# KiCad board ikafly_rev0a_p_cut.kicad_pcb
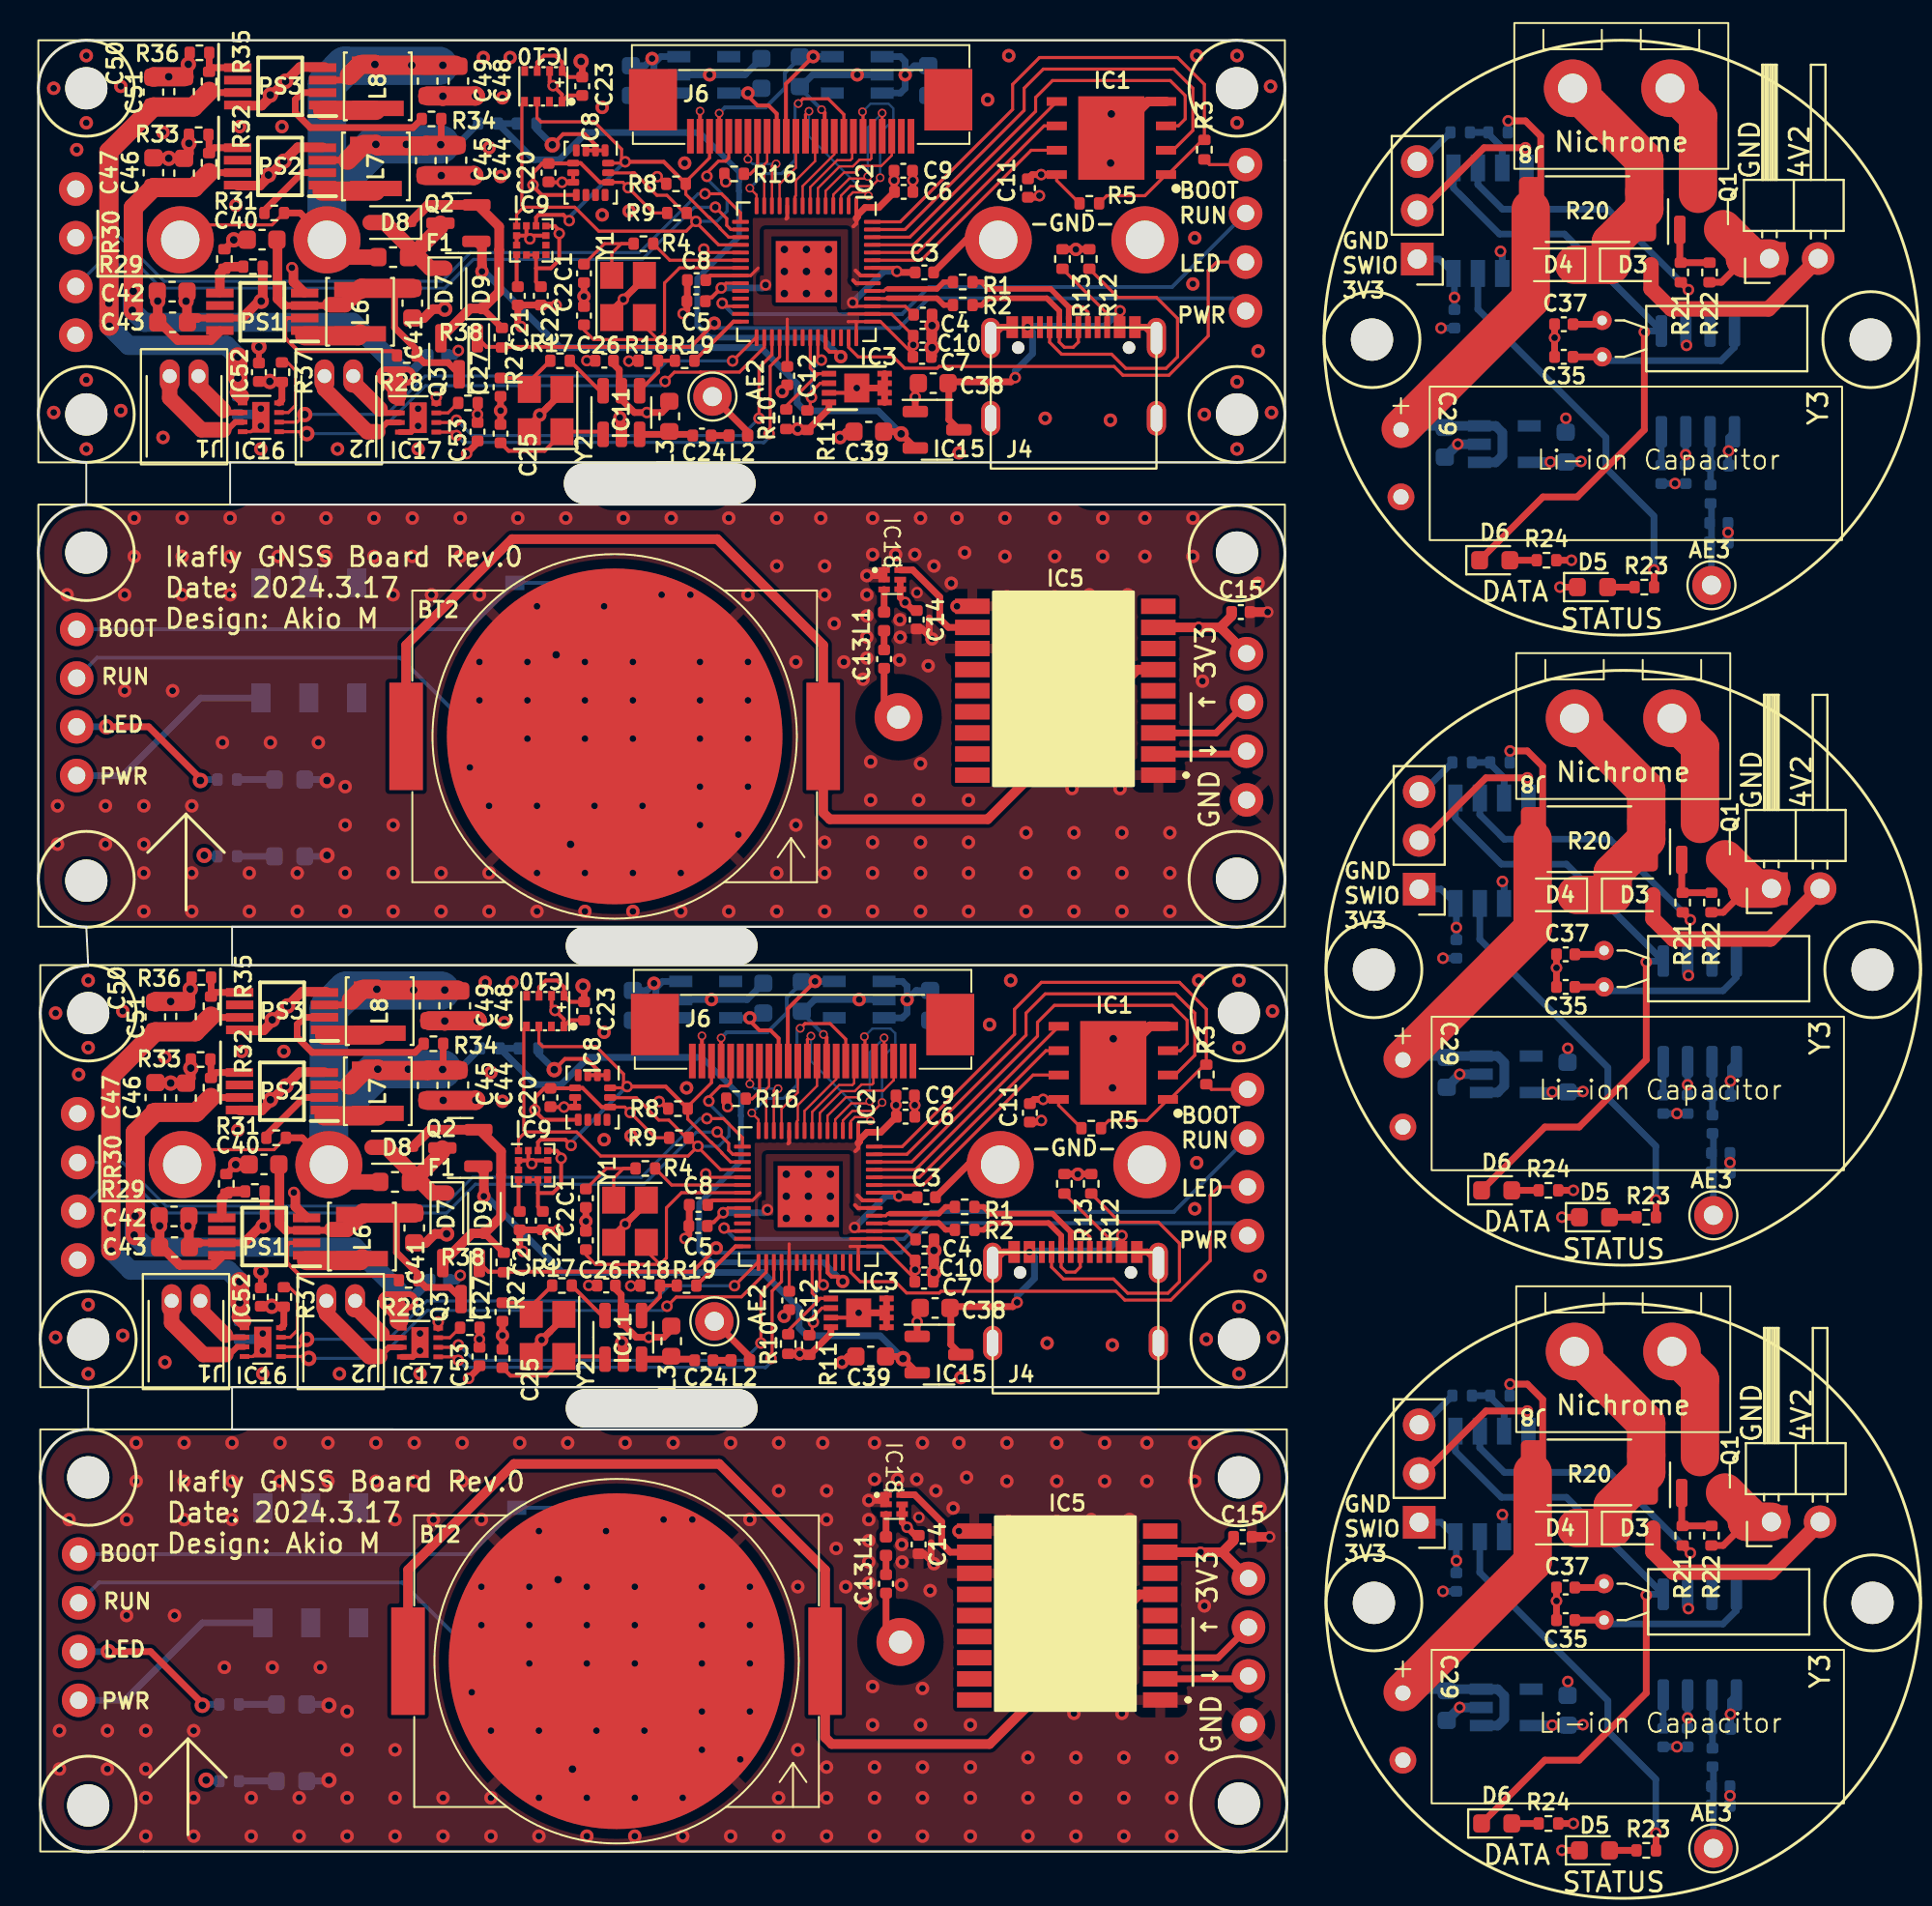
[diagram p0: board, top side]
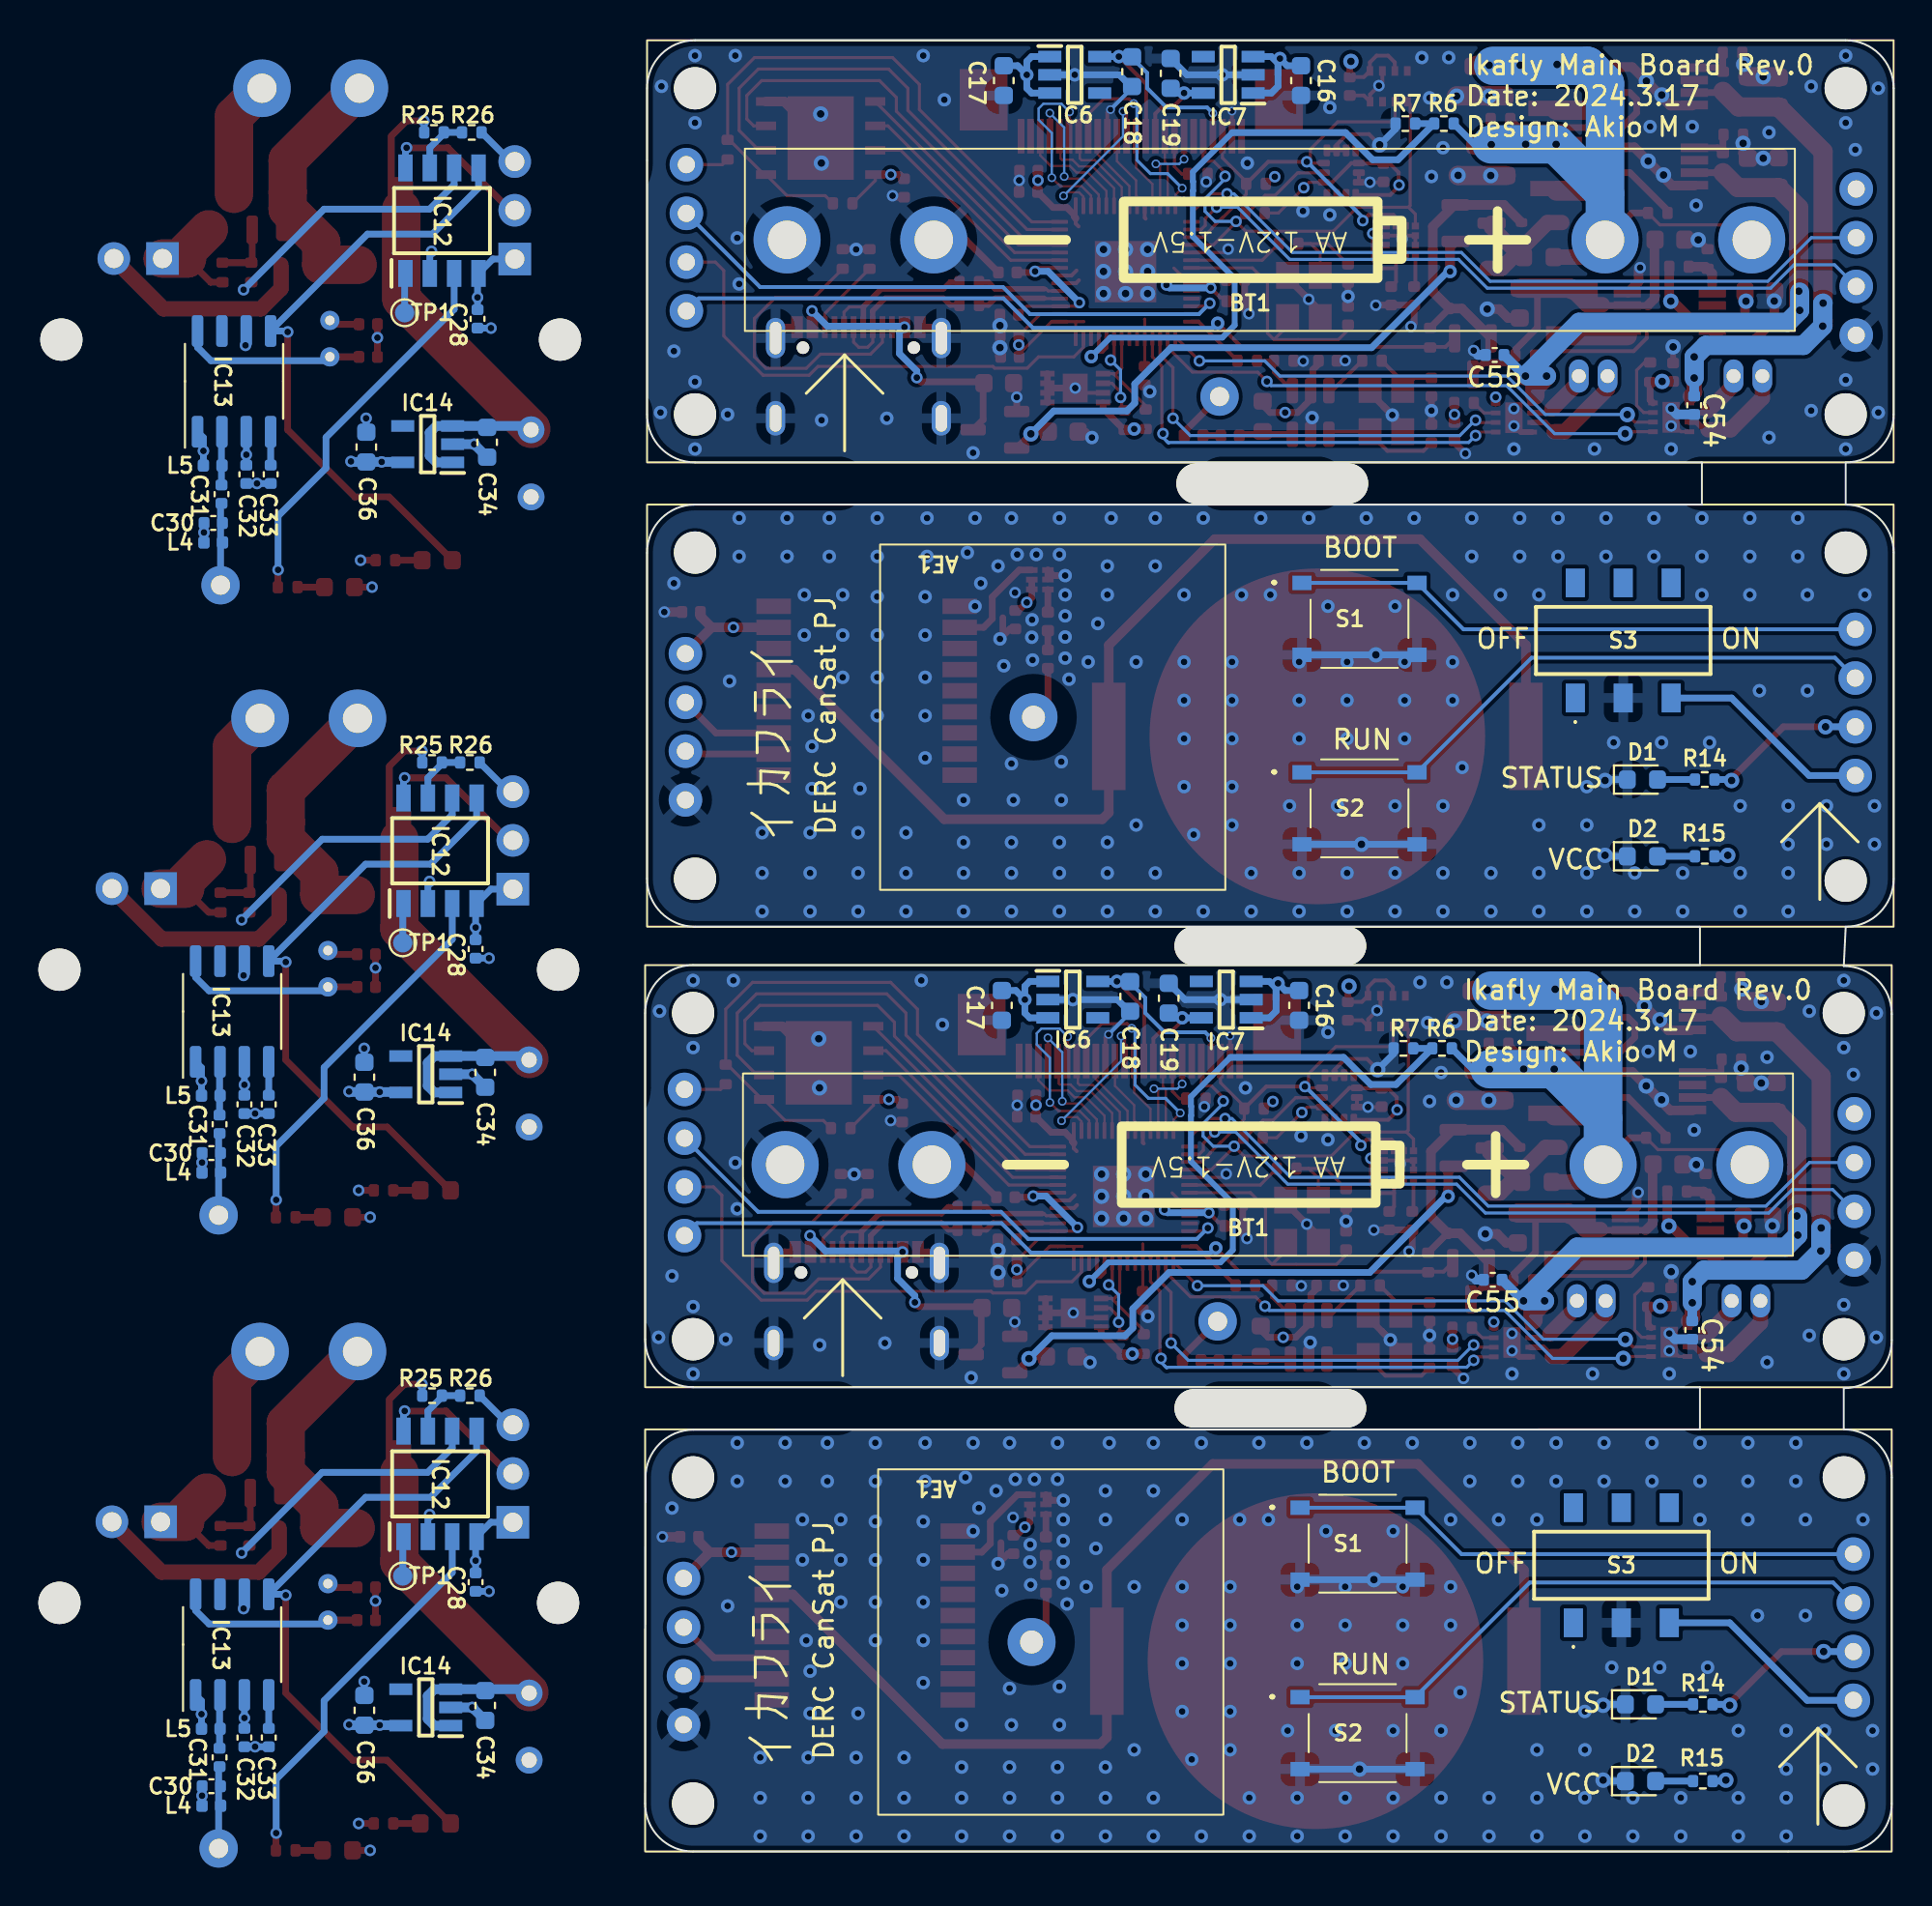
[diagram p1: board, bottom side, seen from below]

Outline 65.1 x 94.4 mm; copper layers: Top, In1.Cu, In2.Cu, Bottom. Coordinates in mm from the lower left corner of the outline.
Outline path: 0,91.9 arc(0.73,93.67) 2.5,94.4 62.5,94.4 arc(64.27,93.67) 65,91.9 65,74.9 arc(64.27,73.13) 62.5,72.4 10,72.4 10,70.2 62.5,70.2 arc(64.27,69.47) 65,67.7 65,50.7 arc(64.27,48.93) 62.5,48.2 10.1,48.2 10.1,46.2 62.6,46.2 arc(64.37,45.47) 65.1,43.7 65.1,26.7 arc(64.37,24.93) 62.6,24.2 10.1,24.2 10.1,22 62.58,21.98 arc(64.35,21.25) 65.08,19.48 65.1,2.5 arc(64.37,0.73) 62.6,0 5.5,0 2.6,0 arc(0.83,0.73) 0.1,2.5 0.1,19.5 arc(0.83,21.27) 2.6,22 2.6,24.15 arc(0.83,24.88) 0.1,26.65 0.1,43.65 arc(0.83,45.42) 2.6,46.15 2.5,48.2 arc(0.73,48.93) 0,50.7 0,67.7 arc(0.73,69.47) 2.5,70.2 2.5,72.4 arc(0.73,73.13) 0,74.9 0,91.9
Stack: Top 0.035mm / dielectric 0.1mm FR4 er 4.5 / In1.Cu 0.035mm / dielectric 0.64mm FR4 er 4.5 / In2.Cu 0.035mm / dielectric 0.1mm FR4 er 4.5 / Bottom 0.035mm

## Placement (name value [footprint] x y rotation side)
AE1  ANT_GNSS  [BWGNSCNX18-18W2]  43.95 10.92 180 bottom
AE1#2  ANT_GNSS  [BWGNSCNX18-18W2]  43.85 59.12 180 bottom
AE2  ANT_315MHz  [Pin_D1.0mm_L10.0mm]  35.15 75.83 90 top
AE2#2  ANT_315MHz  [Pin_D1.0mm_L10.0mm]  35.25 27.63 90 top
AE3  ANT_315MHz  [Pin_D1.0mm_L10.0mm]  87.34 33.16 180 top
AE3#2  ANT_315MHz  [Pin_D1.0mm_L10.0mm]  87.24 66 180 top
AE3#3  ANT_315MHz  [Pin_D1.0mm_L10.0mm]  87.34 0.16 180 top
BT1  AA_Cell  [Conn_MY-AA]  7.4 84 0 bottom
BT1#2  AA_Cell  [Conn_MY-AA]  7.5 35.8 0 bottom
BT2  CR2032  [MY-2032-08-J-Fe]  30.15 9.92 0 top
BT2#2  CR2032  [MY-2032-08-J-Fe]  30.05 58.12 0 top
C1  20p  [C_0402_1005Metric]  28.45 82.25 90 top
C1#2  20p  [C_0402_1005Metric]  28.55 34.05 90 top
C2  20p  [C_0402_1005Metric]  28.55 31.85 270 top
C2#2  20p  [C_0402_1005Metric]  28.45 80.05 270 top
C3  1u  [C_0402_1005Metric]  46.2 82.3 0 top
C3#2  1u  [C_0402_1005Metric]  46.3 34.1 0 top
C4  100n  [C_0402_1005Metric]  46.22 31.9 0 top
C4#2  100n  [C_0402_1005Metric]  46.12 80.1 0 top
C5  100n  [C_0402_1005Metric]  34.3 80.8 180 top
C5#2  100n  [C_0402_1005Metric]  34.4 32.6 180 top
C6  1u  [C_0402_1005Metric]  45.22 38.3 0 top
C6#2  1u  [C_0402_1005Metric]  45.12 86.5 0 top
C7  100n  [C_0402_1005Metric]  46.18 29.7 0 top
C7#2  100n  [C_0402_1005Metric]  46.08 77.9 0 top
C8  100n  [C_0402_1005Metric]  34.42 33.7 180 top
C8#2  100n  [C_0402_1005Metric]  34.32 81.9 180 top
C9  100n  [C_0402_1005Metric]  45.2 39.4 0 top
C9#2  100n  [C_0402_1005Metric]  45.1 87.6 0 top
C10  100n  [C_0402_1005Metric]  46.2 30.8 0 top
C10#2  100n  [C_0402_1005Metric]  46.1 79 0 top
C11  100n  [C_0402_1005Metric]  51.7 38.5 270 top
C11#2  100n  [C_0402_1005Metric]  51.6 86.7 270 top
C12  100n  [C_0402_1005Metric]  39.05 76.92 270 top
C12#2  100n  [C_0402_1005Metric]  39.15 28.72 270 top
C13  470p  [C_0402_1005Metric]  44.1 62.15 90 top
C13#2  470p  [C_0402_1005Metric]  44.2 13.95 90 top
C14  100n  [C_0402_1005Metric]  45.8 64.2 270 top
C14#2  100n  [C_0402_1005Metric]  45.9 16 270 top
C15  100n  [C_0402_1005Metric]  62.7 64.6 0 top
C15#2  100n  [C_0402_1005Metric]  62.8 16.4 0 top
C16  10u  [C_0603_1608Metric]  31 44.1 270 bottom
C16#2  10u  [C_0603_1608Metric]  30.9 92.3 270 bottom
C17  10u  [C_0603_1608Metric]  46.4 92.3 270 bottom
C17#2  10u  [C_0603_1608Metric]  46.5 44.1 270 bottom
C18  10u  [C_0603_1608Metric]  39.71 92.77 270 bottom
C18#2  10u  [C_0603_1608Metric]  39.81 44.57 270 bottom
C19  10u  [C_0603_1608Metric]  37.8 44.48 90 bottom
C19#2  10u  [C_0603_1608Metric]  37.7 92.68 90 bottom
C20  100n  [C_0402_1005Metric]  26.7 39.3 90 top
C20#2  100n  [C_0402_1005Metric]  26.6 87.5 90 top
C21  100n  [C_0402_1005Metric]  25.1 32.88 90 top
C21#2  100n  [C_0402_1005Metric]  25 81.08 90 top
C22  100n  [C_0402_1005Metric]  26.3 32.88 270 top
C22#2  100n  [C_0402_1005Metric]  26.2 81.08 270 top
C23  100n  [C_0402_1005Metric]  28.36 92.01 270 top
C23#2  100n  [C_0402_1005Metric]  28.46 43.81 270 top
C24  20p  [C_0402_1005Metric]  34.6 73.8 180 top
C24#2  20p  [C_0402_1005Metric]  34.7 25.6 180 top
C25  20p  [C_0402_1005Metric]  24.1 73.9 90 top
C25#2  20p  [C_0402_1005Metric]  24.2 25.7 90 top
C26  2.2u  [C_0402_1005Metric]  29.51 77.7 180 top
C26#2  2.2u  [C_0402_1005Metric]  29.61 29.5 180 top
C27  20p  [C_0402_1005Metric]  24.2 28.12 270 top
C27#2  20p  [C_0402_1005Metric]  24.1 76.32 270 top
C28  100n  [C_0402_1005Metric]  73.94 14.04 270 bottom
C28#2  100n  [C_0402_1005Metric]  73.94 47.04 270 bottom
C28#3  100n  [C_0402_1005Metric]  73.84 79.88 270 bottom
C29  40F  [Capacitor_P3.5_8x20_H]  71.05 72.35 270 top
C29#2  40F  [Capacitor_P3.5_8x20_H]  71.15 39.51 270 top
C29#3  40F  [Capacitor_P3.5_8x20_H]  71.15 6.51 270 top
C30  6.8p  [C_0402_1005Metric]  87.62 69.24 0 bottom
C30#2  6.8p  [C_0402_1005Metric]  87.72 36.4 0 bottom
C30#3  6.8p  [C_0402_1005Metric]  87.72 3.4 0 bottom
C31  1.5p  [C_0402_1005Metric]  87.29 4.9 90 bottom
C31#2  1.5p  [C_0402_1005Metric]  87.19 70.74 90 bottom
C31#3  1.5p  [C_0402_1005Metric]  87.29 37.9 90 bottom
C32  100n  [C_0402_1005Metric]  86 5.94 270 bottom
C32#2  100n  [C_0402_1005Metric]  86 38.94 270 bottom
C32#3  100n  [C_0402_1005Metric]  85.9 71.78 270 bottom
C33  0.47u  [C_0402_1005Metric]  84.73 38.94 270 bottom
C33#2  0.47u  [C_0402_1005Metric]  84.63 71.78 270 bottom
C33#3  0.47u  [C_0402_1005Metric]  84.73 5.94 270 bottom
C34  10u  [C_0603_1608Metric]  73.44 7.61 270 bottom
C34#2  10u  [C_0603_1608Metric]  73.34 73.45 270 bottom
C34#3  10u  [C_0603_1608Metric]  73.44 40.61 270 bottom
C35  20p  [C_0402_1005Metric]  79.64 45.06 180 top
C35#2  20p  [C_0402_1005Metric]  79.54 77.9 180 top
C35#3  20p  [C_0402_1005Metric]  79.64 12.06 180 top
C36  10u  [C_0603_1608Metric]  79.64 73.2 90 bottom
C36#2  10u  [C_0603_1608Metric]  79.74 7.36 90 bottom
C36#3  10u  [C_0603_1608Metric]  79.74 40.36 90 bottom
C37  20p  [C_0402_1005Metric]  79.54 79.6 180 top
C37#2  20p  [C_0402_1005Metric]  79.64 46.76 180 top
C37#3  20p  [C_0402_1005Metric]  79.64 13.76 180 top
C38  10u  [C_0603_1608Metric]  46.76 28.33 180 top
C38#2  10u  [C_0603_1608Metric]  46.66 76.53 180 top
C39  10u  [C_0603_1608Metric]  43.4 25.8 180 top
C39#2  10u  [C_0603_1608Metric]  43.3 74 180 top
C40  22u  [C_0603_1608Metric]  11.76 35.81 180 top
C40#2  22u  [C_0603_1608Metric]  11.66 84.01 180 top
C41  22u  [C_0603_1608Metric]  19.5 80.7 270 top
C41#2  22u  [C_0603_1608Metric]  19.6 32.5 270 top
C42  22u  [C_0603_1608Metric]  7.07 33.1 180 top
C42#2  22u  [C_0603_1608Metric]  6.97 81.3 180 top
C43  22u  [C_0603_1608Metric]  7 79.7 180 top
C43#2  22u  [C_0603_1608Metric]  7.1 31.5 180 top
C44  22u  [C_0603_1608Metric]  21.8 88.15 270 top
C44#2  22u  [C_0603_1608Metric]  21.9 39.95 270 top
C45  22u  [C_0603_1608Metric]  20.2 88.13 270 top
C45#2  22u  [C_0603_1608Metric]  20.3 39.93 270 top
C46  22u  [C_0603_1608Metric]  7.6 87.48 90 top
C46#2  22u  [C_0603_1608Metric]  7.7 39.28 90 top
C47  22u  [C_0603_1608Metric]  6 87.5 90 top
C47#2  22u  [C_0603_1608Metric]  6.1 39.3 90 top
C48  22u  [C_0603_1608Metric]  22 44.08 270 top
C48#2  22u  [C_0603_1608Metric]  21.9 92.28 270 top
C49  22u  [C_0603_1608Metric]  20.4 44.08 270 top
C49#2  22u  [C_0603_1608Metric]  20.3 92.28 270 top
C50  22u  [C_0603_1608Metric]  6.1 43.5 90 top
C50#2  22u  [C_0603_1608Metric]  6 91.7 90 top
C51  22u  [C_0603_1608Metric]  7.7 43.53 90 top
C51#2  22u  [C_0603_1608Metric]  7.6 91.73 90 top
C52  100n  [C_0402_1005Metric]  11.6 28.9 90 top
C52#2  100n  [C_0402_1005Metric]  11.5 77.1 90 top
C53  100n  [C_0402_1005Metric]  23 25.8 270 top
C53#2  100n  [C_0402_1005Metric]  22.9 74 270 top
C54  100n  [C_0402_1005Metric]  10.5 27.18 270 bottom
C54#2  100n  [C_0402_1005Metric]  10.4 75.38 270 bottom
C55  100n  [C_0402_1005Metric]  20.9 29.8 0 bottom
C55#2  100n  [C_0402_1005Metric]  20.8 78 0 bottom
D1  LED  [LED_0603_1608Metric]  13.2 7.67 180 bottom
D1#2  LED  [LED_0603_1608Metric]  13.1 55.87 180 bottom
D2  LED  [LED_0603_1608Metric]  13.2 3.67 180 bottom
D2#2  LED  [LED_0603_1608Metric]  13.1 51.87 180 bottom
D3  CUS10S30  [D_SOD-323]  83.04 82.7 0 top
D3#2  CUS10S30  [D_SOD-323]  83.14 16.86 0 top
D3#3  CUS10S30  [D_SOD-323]  83.14 49.86 0 top
D4  CUS10S30  [D_SOD-323]  79.14 16.86 180 top
D4#2  CUS10S30  [D_SOD-323]  79.14 49.86 180 top
D4#3  CUS10S30  [D_SOD-323]  79.04 82.7 180 top
D5  LED  [LED_0603_1608Metric]  81.14 0.06 0 top
D5#2  LED  [LED_0603_1608Metric]  81.14 33.06 0 top
D5#3  LED  [LED_0603_1608Metric]  81.04 65.9 0 top
D6  LED  [LED_0603_1608Metric]  76.04 34.46 0 top
D6#2  LED  [LED_0603_1608Metric]  75.94 67.3 0 top
D6#3  LED  [LED_0603_1608Metric]  76.04 1.46 0 top
D7  CUS10S30  [D_SOD-323]  21.2 81.47 270 top
D7#2  CUS10S30  [D_SOD-323]  21.3 33.27 270 top
D8  CUS10S30  [D_SOD-323]  18.45 36.7 180 top
D8#2  CUS10S30  [D_SOD-323]  18.35 84.9 180 top
D9  CUS10S30  [D_SOD-323]  23.16 81.47 90 top
D9#2  CUS10S30  [D_SOD-323]  23.26 33.27 90 top
F1  Polyfuse  [Fuse_0603_1608Metric]  18.5 83.1 0 top
F1#2  Polyfuse  [Fuse_0603_1608Metric]  18.6 34.9 0 top
H1  MountingHole  [MountingHole_2.2mm_M2]  2.6 43.7 0 top
H1#2  MountingHole  [MountingHole_2.2mm_M2]  2.5 91.9 0 top
H2  MountingHole  [MountingHole_2.2mm_M2]  2.6 26.7 0 top
H2#2  MountingHole  [MountingHole_2.2mm_M2]  2.5 74.9 0 top
H3  MountingHole  [MountingHole_2.2mm_M2]  62.6 43.7 0 top
H3#2  MountingHole  [MountingHole_2.2mm_M2]  62.5 91.9 0 top
H4  MountingHole  [MountingHole_2.2mm_M2]  62.5 74.9 0 top
H4#2  MountingHole  [MountingHole_2.2mm_M2]  62.6 26.7 0 top
H5  MountingHole  [MountingHole_2.2mm_M2]  69.54 78.8 0 top
H5#2  MountingHole  [MountingHole_2.2mm_M2]  69.64 45.96 0 top
H5#3  MountingHole  [MountingHole_2.2mm_M2]  69.64 12.96 0 top
H6  MountingHole  [MountingHole_2.2mm_M2]  95.64 12.96 0 top
H6#2  MountingHole  [MountingHole_2.2mm_M2]  95.64 45.96 0 top
H6#3  MountingHole  [MountingHole_2.2mm_M2]  95.54 78.8 0 top
H7  MountingHole  [MountingHole_2.2mm_M2]  2.5 67.7 0 top
H7#2  MountingHole  [MountingHole_2.2mm_M2]  2.6 19.5 0 top
H8  MountingHole  [MountingHole_2.2mm_M2]  2.5 50.6 0 top
H8#2  MountingHole  [MountingHole_2.2mm_M2]  2.6 2.4 0 top
H9  MountingHole  [MountingHole_2.2mm_M2]  62.6 2.5 0 top
H9#2  MountingHole  [MountingHole_2.2mm_M2]  62.5 50.7 0 top
H10  MountingHole  [MountingHole_2.2mm_M2]  62.6 19.5 0 top
H10#2  MountingHole  [MountingHole_2.2mm_M2]  62.5 67.7 0 top
IC1  W25Q32JVZPIQ  [SON127P600X500X80-9N-D]  55.95 89.31 180 top
IC1#2  W25Q32JVZPIQ  [SON127P600X500X80-9N-D]  56.05 41.11 180 top
IC2  RP2040  [QFN-56-1EP_7x7mm_P0.4mm_EP3.2x3.2mm]  40.05 82.34 270 top
IC2#2  RP2040  [QFN-56-1EP_7x7mm_P0.4mm_EP3.2x3.2mm]  40.15 34.14 270 top
IC3  ZD24C512A  [DFN-8-1EP_3x2mm_P0.5mm_EP1.3x1.5mm]  42.77 28.08 180 top
IC3#2  ZD24C512A  [DFN-8-1EP_3x2mm_P0.5mm_EP1.3x1.5mm]  42.67 76.28 180 top
IC5  ATGM336H-5N31  [ATGM336H5N31]  53.55 60.5 0 top
IC5#2  ATGM336H-5N31  [ATGM336H5N31]  53.65 12.3 0 top
IC6  ME6211C28M5G-N  [SOT95P282X145-5N]  42.8 44.4 180 bottom
IC6#2  ME6211C28M5G-N  [SOT95P282X145-5N]  42.7 92.6 180 bottom
IC7  ME6211C12M5G-N  [SOT95P282X145-5N]  34.7 92.6 0 bottom
IC7#2  ME6211C12M5G-N  [SOT95P282X145-5N]  34.8 44.4 0 bottom
IC8  LSM6DS3TR-C  [LGA-14_3x2.5mm_P0.5mm_LayoutBorder3x4y]  28.9 39.3 270 top
IC8#2  LSM6DS3TR-C  [LGA-14_3x2.5mm_P0.5mm_LayoutBorder3x4y]  28.8 87.5 270 top
IC9  LIS3MDLTR  [LGA-12_2x2mm_P0.5mm]  25.8 35.77 0 top
IC9#2  LIS3MDLTR  [LGA-12_2x2mm_P0.5mm]  25.7 83.97 0 top
IC10  SPL06-001  [Goertek_SPL06-001]  27.58 93 180 top
IC10#2  SPL06-001  [Goertek_SPL06-001]  27.68 44.8 180 top
IC11  WF4455TD  [SOT-23-6]  30.4 75 90 top
IC11#2  WF4455TD  [SOT-23-6]  30.5 26.8 90 top
IC12  CH32V003J4M6  [SOIC127P600X155-8N]  75.79 52.16 90 bottom
IC12#2  CH32V003J4M6  [SOIC127P600X155-8N]  75.79 19.16 90 bottom
IC12#3  CH32V003J4M6  [SOIC127P600X155-8N]  75.69 85 90 bottom
IC13  WF490RE  [SOP-8_3.9x4.9mm_P1.27mm]  86.63 43.78 90 bottom
IC13#2  WF490RE  [SOP-8_3.9x4.9mm_P1.27mm]  86.63 10.78 90 bottom
IC13#3  WF490RE  [SOP-8_3.9x4.9mm_P1.27mm]  86.53 76.62 90 bottom
IC14  ME6211C33M5G-N  [SOT95P282X145-5N]  76.44 73.35 0 bottom
IC14#2  ME6211C33M5G-N  [SOT95P282X145-5N]  76.54 40.51 0 bottom
IC14#3  ME6211C33M5G-N  [SOT95P282X145-5N]  76.54 7.51 0 bottom
IC15  XC6206P182MR  [SOT-23-3]  46.96 25.9 0 top
IC15#2  XC6206P182MR  [SOT-23-3]  46.86 74.1 0 top
IC16  DRV8837  [WSON-8-1EP_2x2mm_P0.5mm_EP0.9x1.6mm]  11.6 74.75 0 top
IC16#2  DRV8837  [WSON-8-1EP_2x2mm_P0.5mm_EP0.9x1.6mm]  11.7 26.55 0 top
IC17  DRV8837  [WSON-8-1EP_2x2mm_P0.5mm_EP0.9x1.6mm]  19.8 74.73 0 top
IC17#2  DRV8837  [WSON-8-1EP_2x2mm_P0.5mm_EP0.9x1.6mm]  19.9 26.53 0 top
IC18  -  [AT2659]  44.54 66.29 270 top
IC18#2  -  [AT2659]  44.64 18.09 270 top
J1  Motor_Conn  [JST_ZH_2_Side]  9.85 76.9 180 top
J1#2  Motor_Conn  [JST_ZH_2_Side]  9.95 28.7 180 top
J2  Motor_Conn  [JST_ZH_2_Side]  17.92 76.9 180 top
J2#2  Motor_Conn  [JST_ZH_2_Side]  18.02 28.7 180 top
J3  GPS2MCU  [GPS2MCU_Conn]  32.7 83.42 0 top
J3#2  GPS2MCU  [GPS2MCU_Conn]  32.8 35.22 0 top
J4  -  [USB_type_C]  49.76 31.23 0 top
J4#2  -  [USB_type_C]  49.66 79.43 0 top
J5  GPS2MCU  [GPS2MCU_Conn]  32.35 11 180 bottom
J5#2  GPS2MCU  [GPS2MCU_Conn]  32.25 59.2 180 bottom
J6  OV2640_FPC_P0.5_24P  [FC05-SXXDCU-00]  39.85 41.2 0 top
J6#2  OV2640_FPC_P0.5_24P  [FC05-SXXDCU-00]  39.75 89.4 0 top
J7  Charge  [PinHeader_1x02_P2.54mm_Horizontal]  90.36 50.19 90 top
J7#2  Charge  [PinHeader_1x02_P2.54mm_Horizontal]  90.36 17.19 90 top
J7#3  Charge  [PinHeader_1x02_P2.54mm_Horizontal]  90.26 83.03 90 top
J8  Nichrome  [TerminalBlock_TB111-2-2-U-1-1]  82.64 59.06 180 top
J8#2  Nichrome  [TerminalBlock_TB111-2-2-U-1-1]  82.54 91.9 180 top
J8#3  Nichrome  [TerminalBlock_TB111-2-2-U-1-1]  82.64 26.06 180 top
J9  Write  [PinHeader_1x03_P2.54mm_Vertical]  71.9 83 180 top
J9#2  Write  [PinHeader_1x03_P2.54mm_Vertical]  72 50.16 180 top
J9#3  Write  [PinHeader_1x03_P2.54mm_Vertical]  72 17.16 180 top
L1  6.8nH  [L_0402_1005Metric]  44.1 64.12 90 top
L1#2  6.8nH  [L_0402_1005Metric]  44.2 15.92 90 top
L2  33nH  [L_0402_1005Metric]  36.5 73.8 180 top
L2#2  33nH  [L_0402_1005Metric]  36.6 25.6 180 top
L3  3.3uH  [L_0603_1608Metric]  33 26.6 270 top
L3#2  3.3uH  [L_0603_1608Metric]  32.9 74.8 270 top
L4  39nH  [L_0402_1005Metric]  87.72 2.39 0 bottom
L4#2  39nH  [L_0402_1005Metric]  87.72 35.39 0 bottom
L4#3  39nH  [L_0402_1005Metric]  87.62 68.23 0 bottom
L5  68nH  [L_0402_1005Metric]  87.65 72.24 0 bottom
L5#2  68nH  [L_0402_1005Metric]  87.75 6.4 0 bottom
L5#3  68nH  [L_0402_1005Metric]  87.75 39.4 0 bottom
L6  1.5uH  [L_Sunlord_SWPA3015S]  16.88 32.05 270 top
L6#2  1.5uH  [L_Sunlord_SWPA3015S]  16.77 80.25 270 top
L7  1.5uH  [L_Sunlord_SWPA3015S]  17.7 39.63 270 top
L7#2  1.5uH  [L_Sunlord_SWPA3015S]  17.6 87.83 270 top
L8  1.5uH  [L_Sunlord_SWPA3015S]  17.8 43.8 270 top
L8#2  1.5uH  [L_Sunlord_SWPA3015S]  17.7 92 270 top
NOREF  -  [unnamed]  32.5 47.2 0 top
NOREF#2  -  [unnamed]  32.5 23.1 0 top
NOREF#3  -  [unnamed#2]  32.4 71.3 0 top
PS1  PAM2401SCADJ  [SOP65P490X110-8N]  11.67 80.25 180 top
PS1#2  PAM2401SCADJ  [SOP65P490X110-8N]  11.77 32.05 180 top
PS2  PAM2401SCADJ  [SOP65P490X110-8N]  12.6 87.83 180 top
PS2#2  PAM2401SCADJ  [SOP65P490X110-8N]  12.7 39.63 180 top
PS3  PAM2401SCADJ  [SOP65P490X110-8N]  12.71 43.8 180 top
PS3#2  PAM2401SCADJ  [SOP65P490X110-8N]  12.61 92 180 top
Q1  YJL3416A  [SOT-23]  86.64 19.62 90 top
Q1#2  YJL3416A  [SOT-23]  86.64 52.62 90 top
Q1#3  YJL3416A  [SOT-23]  86.54 85.46 90 top
Q2  CJ2301-ES  [SOT-23]  22 36.67 180 top
Q2#2  CJ2301-ES  [SOT-23]  21.9 84.87 180 top
Q3  CJ2301-ES  [SOT-23]  22.04 29.73 270 top
Q3#2  CJ2301-ES  [SOT-23]  21.94 77.93 270 top
R1  27  [R_0402_1005Metric]  48.2 81.8 180 top
R1#2  27  [R_0402_1005Metric]  48.3 33.6 180 top
R2  27  [R_0402_1005Metric]  48.2 80.6 180 top
R2#2  27  [R_0402_1005Metric]  48.3 32.4 180 top
R3  1k  [R_0402_1005Metric]  60.8 88.7 90 top
R3#2  1k  [R_0402_1005Metric]  60.9 40.5 90 top
R4  1k  [R_0402_1005Metric]  31.65 35.6 0 top
R4#2  1k  [R_0402_1005Metric]  31.55 83.8 0 top
R5  10k  [R_0402_1005Metric]  54.9 37.7 0 top
R5#2  10k  [R_0402_1005Metric]  54.8 85.9 0 top
R6  10k  [R_0402_1005Metric]  23.45 90.06 0 bottom
R6#2  10k  [R_0402_1005Metric]  23.55 41.86 0 bottom
R7  10k  [R_0402_1005Metric]  25.56 41.86 0 bottom
R7#2  10k  [R_0402_1005Metric]  25.46 90.06 0 bottom
R8  2.2k  [R_0402_1005Metric]  33.35 38.72 0 top
R8#2  2.2k  [R_0402_1005Metric]  33.25 86.92 0 top
R9  2.2k  [R_0402_1005Metric]  33.4 37.2 0 top
R9#2  2.2k  [R_0402_1005Metric]  33.3 85.4 0 top
R10  2.2k  [R_0402_1005Metric]  39.1 26.45 90 top
R10#2  2.2k  [R_0402_1005Metric]  39 74.65 90 top
R11  2.2k  [R_0402_1005Metric]  40.2 26.4 90 top
R11#2  2.2k  [R_0402_1005Metric]  40.1 74.6 90 top
R12  5.1k  [R_0402_1005Metric]  54.9 34.8 90 top
R12#2  5.1k  [R_0402_1005Metric]  54.8 83 90 top
R13  5.1k  [R_0402_1005Metric]  53.4 83 90 top
R13#2  5.1k  [R_0402_1005Metric]  53.5 34.8 90 top
R14  10k  [R_0402_1005Metric]  9.85 55.87 0 bottom
R14#2  10k  [R_0402_1005Metric]  9.95 7.67 0 bottom
R15  10k  [R_0402_1005Metric]  9.95 3.67 0 bottom
R15#2  10k  [R_0402_1005Metric]  9.85 51.87 0 bottom
R16  10k  [R_0402_1005Metric]  36.28 87.44 0 top
R16#2  10k  [R_0402_1005Metric]  36.38 39.24 0 top
R17  1k  [R_0402_1005Metric]  27.3 29.5 0 top
R17#2  1k  [R_0402_1005Metric]  27.2 77.7 0 top
R18  100k  [R_0402_1005Metric]  31.8 77.7 180 top
R18#2  100k  [R_0402_1005Metric]  31.9 29.5 180 top
R19  10k  [R_0402_1005Metric]  33.7 77.7 0 top
R19#2  10k  [R_0402_1005Metric]  33.8 29.5 0 top
R20  1  [R_2512_6332Metric]  80.88 52.76 180 top
R20#2  1  [R_2512_6332Metric]  80.78 85.6 180 top
R20#3  1  [R_2512_6332Metric]  80.88 19.76 180 top
R21  1k  [R_0402_1005Metric]  85.74 16.46 90 top
R21#2  1k  [R_0402_1005Metric]  85.64 82.3 90 top
R21#3  1k  [R_0402_1005Metric]  85.74 49.46 90 top
R22  10k  [R_0402_1005Metric]  87.24 16.46 270 top
R22#2  10k  [R_0402_1005Metric]  87.24 49.46 270 top
R22#3  10k  [R_0402_1005Metric]  87.14 82.3 270 top
R23  10k  [R_0402_1005Metric]  83.74 65.9 180 top
R23#2  10k  [R_0402_1005Metric]  83.84 33.06 180 top
R23#3  10k  [R_0402_1005Metric]  83.84 0.06 180 top
R24  10k  [R_0402_1005Metric]  78.74 1.46 180 top
R24#2  10k  [R_0402_1005Metric]  78.74 34.46 180 top
R24#3  10k  [R_0402_1005Metric]  78.64 67.3 180 top
R25  100k  [R_0402_1005Metric]  76.11 89.6 180 bottom
R25#2  100k  [R_0402_1005Metric]  76.21 56.76 180 bottom
R25#3  100k  [R_0402_1005Metric]  76.21 23.76 180 bottom
R26  100k  [R_0402_1005Metric]  74.24 56.76 180 bottom
R26#2  100k  [R_0402_1005Metric]  74.14 89.6 180 bottom
R26#3  100k  [R_0402_1005Metric]  74.24 23.76 180 bottom
R27  100k  [R_0402_1005Metric]  24.27 30.7 270 top
R27#2  100k  [R_0402_1005Metric]  24.17 78.9 270 top
R28  10k  [R_0402_1005Metric]  19.21 77.97 180 top